# Altium PCB ZZW-FM17550-CB-001-V0.4.PcbDoc (part 2 of 3)
Units mil, origin at the board's own origin, x right, y up, seen from the top; angles counter-clockwise.
Board outline 1510 x 3524 mil, 2 copper layers (Top Layer, Bottom Layer); 440 components, 36 nets, 1370 pads, 672 vias.
Unrouted connection lines stored in the file: 245.
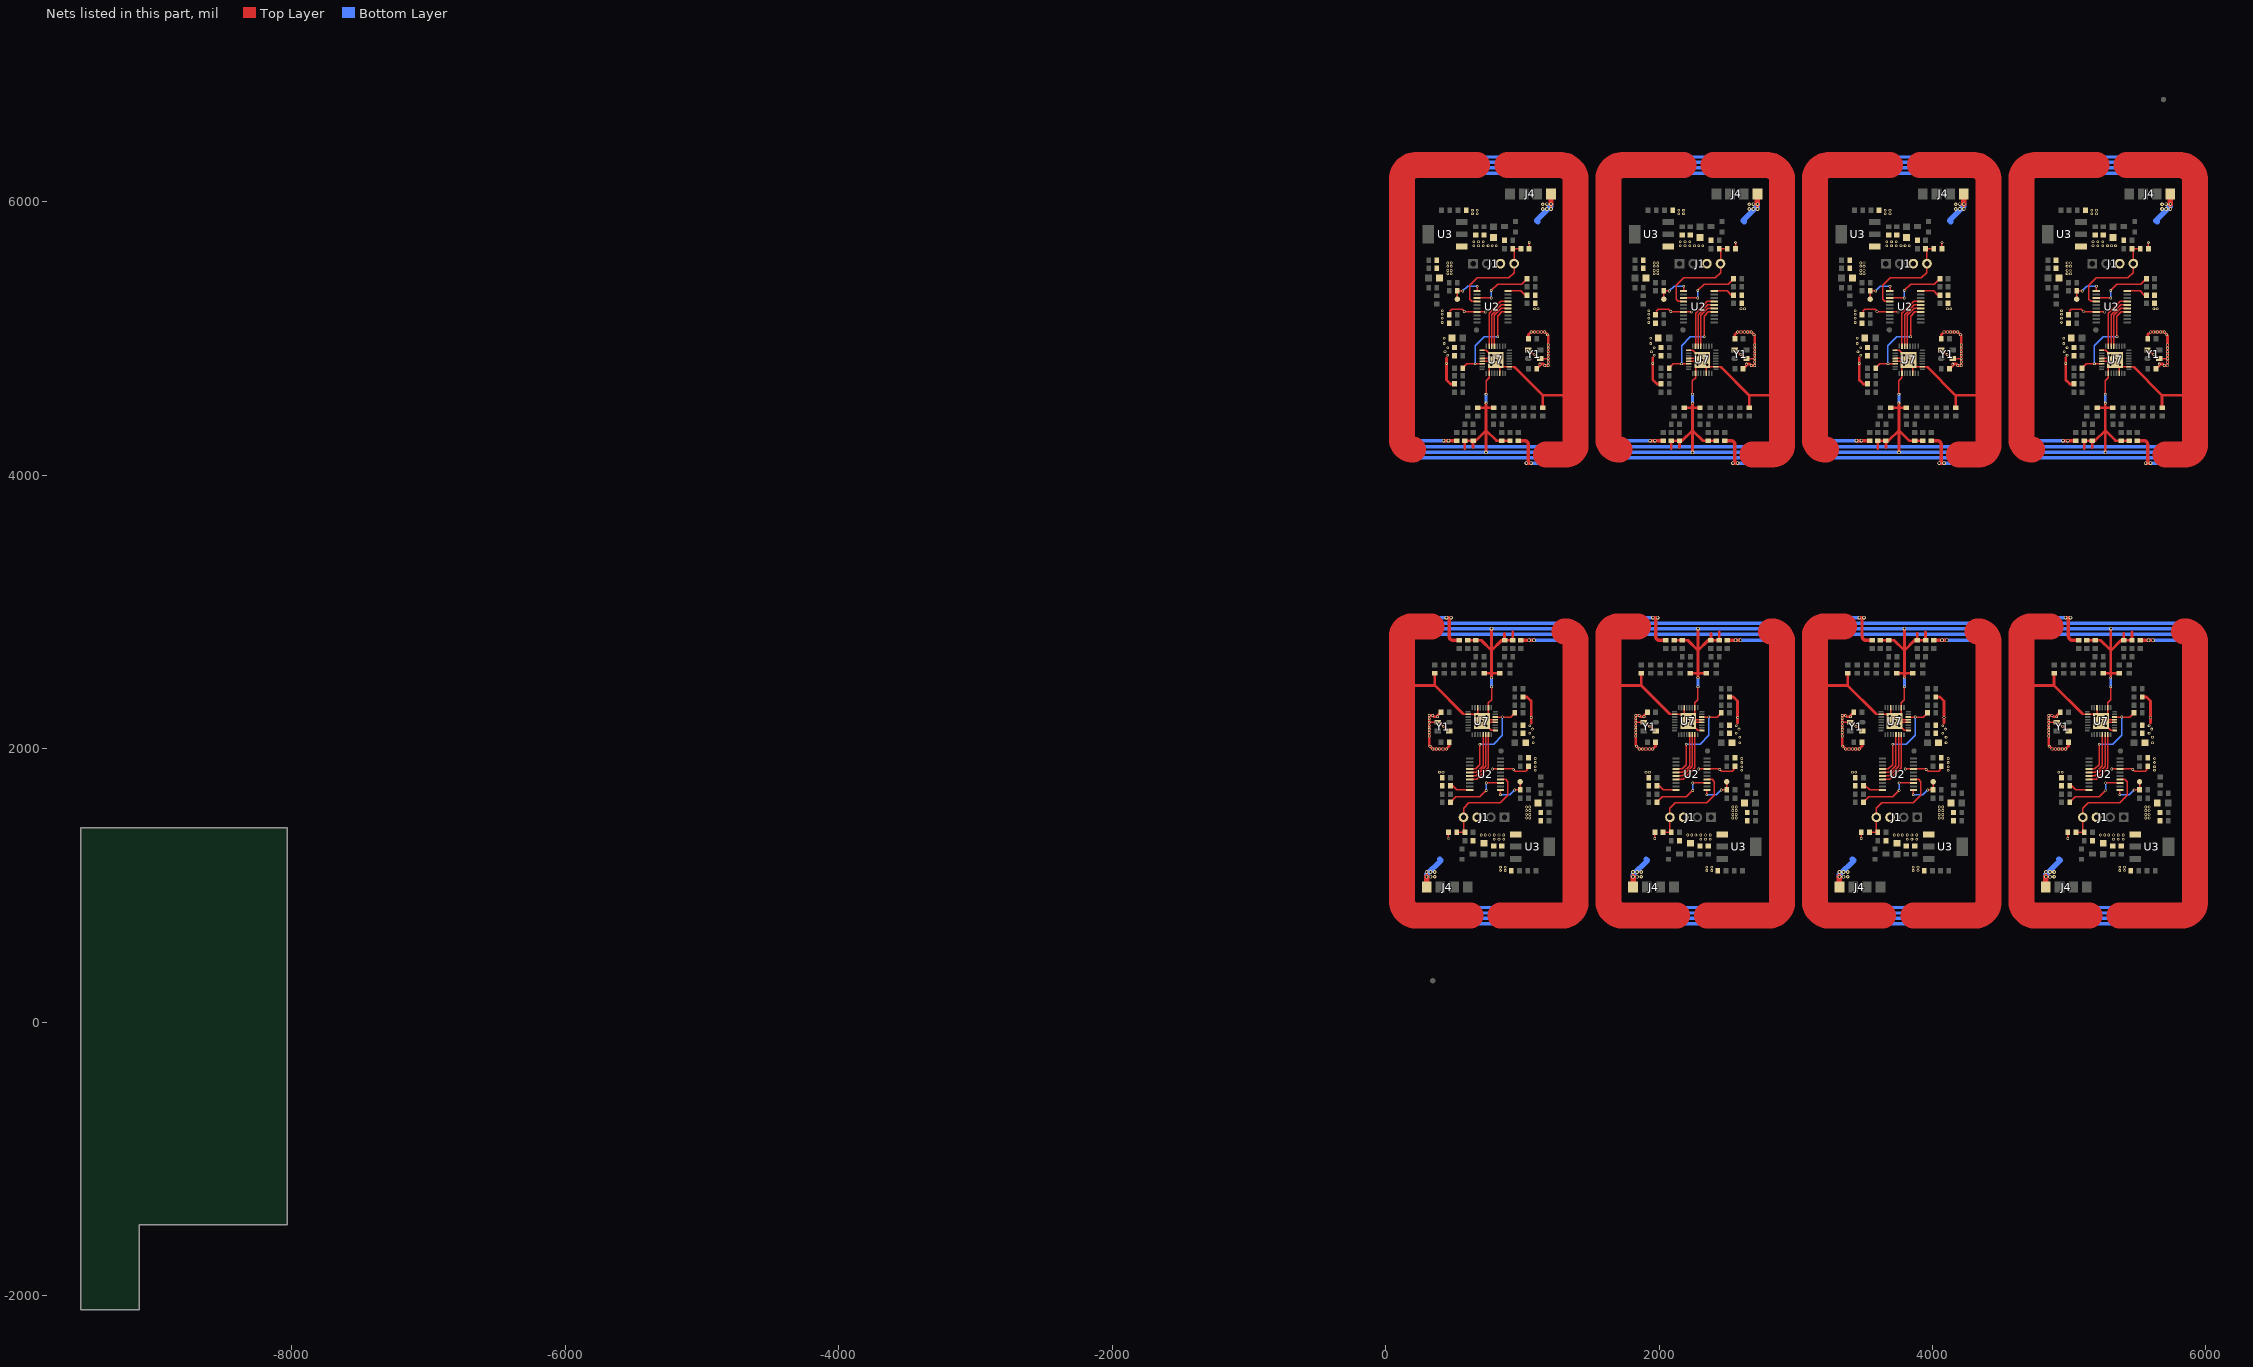
[diagram p2: the nets of this part, all layers, seen from the top]

## Via types
v1: diameter 20, hole 12, Top Layer to Bottom Layer, tented both sides, 432 vias
v2: diameter 19.68, hole 11.81, Top Layer to Bottom Layer, tented both sides, 120 vias
v3: diameter 27, hole 15, Top Layer to Bottom Layer, tented both sides, 104 vias
v4: diameter 27, hole 12, Top Layer to Bottom Layer, tented both sides, 16 vias

## Nets (pads, with @x,y where several pads share a name; then routed paths per layer and width w, separated by ;. In a path a pad name is that pad's centre, name@x,y a point inside that pad or via, vN(x,y) a via of type N, cw(c..) or ccw(c..) an arc to the next point about the centre after c; other vN are vias at no path point) (continued)
GND: C1.1 C2.1 C3.1 C4.1 C5.1 C6.2 C7.1 C8.1 C9.1 C10.1 C50.1 C51.1 C52.1 C53.1 C55.1 C56.2 C57.1 C58.2 C59.1 C60.2 C62.1 C64.1 J1.3 J4.4 R5.1 R6.1 R7.1 R9.2 R53.2 R54.2 U2.7 U3.1 U7.0 U7.1 U7.4 U7.5 U7.10 U7.14 U7.18 Y1.2 Y1.4 | length 283988.4
  Top Layer w10: v1(320,2194) Y1.2@380,2194 v1(421.25,2164) Y1.4@466.61,2131.01 ; v2(460,1344) C1.1@460,1389 ; 470,5199.01 485,5214.01 560,5214.01 v1(575,5199.01) 578.54,5195.46 U2.7@668.62,5195.46 v1(728.54,5195.46) ; 566.41,2256.27 ccw(c576.7,2266.56) 576.7,2252.01 U7.18@605.05,2252.01 654.79,2252.01 U7.0@673.94,2232.85 ; U7.14@673.94,2301.22 U7.0@673.94,2232.85 ; U7.1@706.13,4914.11 737.1,4914.11 U7.0@796.16,4855.06 ; U7.5@708.1,4835.37 U7.0@796.36,4835.37 ; U7.4@708.1,4855.06 U7.0@796.16,4855.06 ; v2(735,4594.01) 735,4690.42 757.32,4712.73 U7.10@757.32,4746.79 757.32,4796.32 U7.0@796.36,4835.37 ; v2(775,2454) 775,2357.59 752.68,2335.28 U7.10@752.68,2301.22 752.68,2251.68 U7.0@713.64,2212.64 ; v1(781.46,1852.54) U2.7@841.38,1852.54 931.46,1852.54 v1(935,1849) 950,1834 1025,1834 1040,1849 ; U7.4@801.9,2192.95 U7.0@713.84,2192.95 ; U7.5@801.9,2212.64 U7.0@713.64,2212.64 ; U7.1@803.87,2133.9 772.9,2133.9 U7.0@713.84,2192.95 ; U7.14@836.06,4746.79 U7.0@836.06,4815.16 ; 943.59,4791.74 ccw(c933.3,4781.45) 933.3,4796 U7.18@904.95,4796 855.21,4796 U7.0@836.06,4815.16 ; Y1.4@1043.39,4917 v1(1088.75,4884.01) Y1.2@1130,4854.01 v1(1190,4854.01) ; C1.1@1050,5659.01 v2(1050,5704.01) ; v1(1830,2194) Y1.2@1890,2194 v1(1931.25,2164) Y1.4@1976.61,2131.01 ; v2(1970,1344) C1.1@1970,1389 ; 1980,5199.01 1995,5214.01 2070,5214.01 v1(2085,5199.01) 2088.54,5195.46 U2.7@2178.62,5195.46 v1(2238.54,5195.46) ; 2076.41,2256.27 ccw(c2086.7,2266.56) 2086.7,2252.01 U7.18@2115.05,2252.01 2164.79,2252.01 U7.0@2183.94,2232.85 ; U7.14@2183.94,2301.22 U7.0@2183.94,2232.85 ; U7.1@2216.13,4914.11 2247.1,4914.11 U7.0@2306.16,4855.06 ; U7.5@2218.1,4835.37 U7.0@2306.36,4835.37 ; U7.4@2218.1,4855.06 U7.0@2306.16,4855.06 ; v2(2245,4594.01) 2245,4690.42 2267.32,4712.73 U7.10@2267.32,4746.79 2267.32,4796.32 U7.0@2306.36,4835.37 ; v2(2285,2454) 2285,2357.59 2262.68,2335.28 U7.10@2262.68,2301.22 2262.68,2251.68 U7.0@2223.64,2212.64 ; v1(2291.46,1852.54) U2.7@2351.38,1852.54 2441.46,1852.54 v1(2445,1849) 2460,1834 2535,1834 2550,1849 ; U7.4@2311.9,2192.95 U7.0@2223.84,2192.95 ; U7.5@2311.9,2212.64 U7.0@2223.64,2212.64 ; U7.1@2313.87,2133.9 2282.9,2133.9 U7.0@2223.84,2192.95 ; U7.14@2346.06,4746.79 U7.0@2346.06,4815.16 ; 2453.59,4791.74 ccw(c2443.3,4781.45) 2443.3,4796 U7.18@2414.95,4796 2365.21,4796 U7.0@2346.06,4815.16 ; Y1.4@2553.39,4917 v1(2598.75,4884.01) Y1.2@2640,4854.01 v1(2700,4854.01) ; C1.1@2560,5659.01 v2(2560,5704.01) ; v1(3340,2194) Y1.2@3400,2194 v1(3441.25,2164) Y1.4@3486.61,2131.01 ; v2(3480,1344) C1.1@3480,1389 ; 3490,5199.01 3505,5214.01 3580,5214.01 v1(3595,5199.01) 3598.54,5195.46 U2.7@3688.62,5195.46 v1(3748.54,5195.46) ; 3586.41,2256.27 ccw(c3596.7,2266.56) 3596.7,2252.01 U7.18@3625.05,2252.01 3674.79,2252.01 U7.0@3693.94,2232.85 ; U7.14@3693.94,2301.22 U7.0@3693.94,2232.85 ; U7.1@3726.13,4914.11 3757.1,4914.11 U7.0@3816.16,4855.06 ; U7.5@3728.1,4835.37 U7.0@3816.36,4835.37 ; U7.4@3728.1,4855.06 U7.0@3816.16,4855.06 ; v2(3755,4594.01) 3755,4690.42 3777.32,4712.73 U7.10@3777.32,4746.79 3777.32,4796.32 U7.0@3816.36,4835.37 ; v2(3795,2454) 3795,2357.59 3772.68,2335.28 U7.10@3772.68,2301.22 3772.68,2251.68 U7.0@3733.64,2212.64 ; v1(3801.46,1852.54) U2.7@3861.38,1852.54 3951.46,1852.54 v1(3955,1849) 3970,1834 4045,1834 4060,1849 ; U7.4@3821.9,2192.95 U7.0@3733.84,2192.95 ; U7.5@3821.9,2212.64 U7.0@3733.64,2212.64 ; U7.1@3823.87,2133.9 3792.9,2133.9 U7.0@3733.84,2192.95 ; U7.14@3856.06,4746.79 U7.0@3856.06,4815.16 ; 3963.59,4791.74 ccw(c3953.3,4781.45) 3953.3,4796 U7.18@3924.95,4796 3875.21,4796 U7.0@3856.06,4815.16 ; Y1.4@4063.39,4917 v1(4108.75,4884.01) Y1.2@4150,4854.01 v1(4210,4854.01) ; C1.1@4070,5659.01 v2(4070,5704.01) ; v1(4850,2194) Y1.2@4910,2194 v1(4951.25,2164) Y1.4@4996.61,2131.01 ; v2(4990,1344) C1.1@4990,1389 ; 5000,5199.01 5015,5214.01 5090,5214.01 v1(5105,5199.01) 5108.54,5195.46 U2.7@5198.62,5195.46 v1(5258.54,5195.46) ; 5096.41,2256.27 ccw(c5106.7,2266.56) 5106.7,2252.01 U7.18@5135.05,2252.01 5184.79,2252.01 U7.0@5203.94,2232.85 ; U7.14@5203.94,2301.22 U7.0@5203.94,2232.85 ; U7.1@5236.13,4914.11 5267.1,4914.11 U7.0@5326.16,4855.06 ; U7.5@5238.1,4835.37 U7.0@5326.36,4835.37 ; U7.4@5238.1,4855.06 U7.0@5326.16,4855.06 ; v2(5265,4594.01) 5265,4690.42 5287.32,4712.73 U7.10@5287.32,4746.79 5287.32,4796.32 U7.0@5326.36,4835.37 ; v2(5305,2454) 5305,2357.59 5282.68,2335.28 U7.10@5282.68,2301.22 5282.68,2251.68 U7.0@5243.64,2212.64 ; v1(5311.46,1852.54) U2.7@5371.38,1852.54 5461.46,1852.54 v1(5465,1849) 5480,1834 5555,1834 5570,1849 ; U7.4@5331.9,2192.95 U7.0@5243.84,2192.95 ; U7.5@5331.9,2212.64 U7.0@5243.64,2212.64 ; U7.1@5333.87,2133.9 5302.9,2133.9 U7.0@5243.84,2192.95 ; U7.14@5366.06,4746.79 U7.0@5366.06,4815.16 ; 5473.59,4791.74 ccw(c5463.3,4781.45) 5463.3,4796 U7.18@5434.95,4796 5385.21,4796 U7.0@5366.06,4815.16 ; Y1.4@5573.39,4917 v1(5618.75,4884.01) Y1.2@5660,4854.01 v1(5720,4854.01) ; C1.1@5580,5659.01 v2(5580,5704.01) ; U7.0@673.94,2232.85 U7.0@703.9,2202.9 ; U7.0@703.9,2202.9 U7.0@713.84,2192.95 ; U7.0@703.9,2202.9 U7.0@713.64,2212.64 ; U7.0@796.16,4855.06 U7.0@806.1,4845.11 ; U7.0@796.36,4835.37 U7.0@806.1,4845.11 ; U7.0@806.1,4845.11 U7.0@836.06,4815.16 ; U7.0@2183.94,2232.85 U7.0@2213.9,2202.9 ; U7.0@2213.9,2202.9 U7.0@2223.84,2192.95 ; U7.0@2213.9,2202.9 U7.0@2223.64,2212.64 ; U7.0@2306.16,4855.06 U7.0@2316.1,4845.11 ; U7.0@2306.36,4835.37 U7.0@2316.1,4845.11 ; U7.0@2316.1,4845.11 U7.0@2346.06,4815.16 ; U7.0@3693.94,2232.85 U7.0@3723.9,2202.9 ; U7.0@3723.9,2202.9 U7.0@3733.84,2192.95 ; U7.0@3723.9,2202.9 U7.0@3733.64,2212.64 ; U7.0@3816.16,4855.06 U7.0@3826.1,4845.11 ; U7.0@3816.36,4835.37 U7.0@3826.1,4845.11 ; U7.0@3826.1,4845.11 U7.0@3856.06,4815.16 ; U7.0@5203.94,2232.85 U7.0@5233.9,2202.9 ; U7.0@5233.9,2202.9 U7.0@5243.84,2192.95 ; U7.0@5233.9,2202.9 U7.0@5243.64,2212.64 ; U7.0@5326.16,4855.06 U7.0@5336.1,4845.11 ; U7.0@5326.36,4835.37 U7.0@5336.1,4845.11 ; U7.0@5336.1,4845.11 U7.0@5366.06,4815.16
  Top Layer w20: 120,2464 121.36,2462.64 360.05,2462.64 ; C62.1@360.05,2552.64 360.05,2462.64 ; C53.1@405,2269 380,2244 v1(380,2234) 355,2234 v1(345,2244) v1(320,2244) v1(320,2219) v1(320,2194) v1(320,2169) v1(320,2144) v1(320,2119) v1(320,2094) 320,2024 v1(325,2019) v1(345,1999) v1(370,1999) v1(395,1999) v1(420,1999) v1(445,1999) 465,2019 C52.1@465,2049 ; 445,4859.01 445,4699.01 475,4669.01 C4.1@505,4669.01 ; C50.1@499.95,4870.37 C50.1@504.95,4875.37 ; 566.41,2256.27 360.05,2462.64 ; 580,4194.01 C59.1@580,4254.01 C57.1@640,4254.01 ; C60.2@600,2794 C58.2@660,2794 700,2794 775,2719 ; 640,4204.01 C57.1@640,4254.01 ; C55.1@674.95,4495.37 735,4495.37 ; C56.2@720.05,2552.64 775,2552.64 ; v3(735,4169.01) 735,4329.01 ; v2(735,4529.01) 735,4495.37 ; v2(775,2519) 775,2552.64 ; v3(775,2879) 775,2719 ; C56.2@789.95,4495.37 735,4495.37 ; C55.1@835.05,2552.64 775,2552.64 ; 870,2844 C57.1@870,2794 ; C60.2@910,4254.01 C58.2@850,4254.01 810,4254.01 735,4329.01 ; 930,2854 C59.1@930,2794 C57.1@870,2794 ; 943.59,4791.74 1149.95,4585.37 ; C4.1@1005,2379 1035,2379 1065,2349 1065,2189 ; C50.1@1005.05,2172.64 C50.1@1010.05,2177.64 ; C52.1@1045,4999.01 1045,5029.01 v1(1065,5049.01) v1(1090,5049.01) v1(1115,5049.01) v1(1140,5049.01) v1(1165,5049.01) v1(1185,5029.01) 1190,5024.01 v1(1190,4954.01) v1(1190,4929.01) v1(1190,4904.01) v1(1190,4879.01) v1(1190,4854.01) v1(1190,4829.01) v1(1190,4804.01) v1(1165,4804.01) 1155,4814.01 v1(1130,4814.01) 1130,4804.01 C53.1@1105,4779.01 ; C62.1@1149.95,4495.37 1149.95,4585.37 ; 1390,4584.01 1388.64,4585.37 1149.95,4585.37 ; 1630,2464 1631.36,2462.64 1870.05,2462.64 ; C62.1@1870.05,2552.64 1870.05,2462.64 ; C53.1@1915,2269 1890,2244 v1(1890,2234) 1865,2234 v1(1855,2244) v1(1830,2244) v1(1830,2219) v1(1830,2194) v1(1830,2169) v1(1830,2144) v1(1830,2119) v1(1830,2094) 1830,2024 v1(1835,2019) v1(1855,1999) v1(1880,1999) v1(1905,1999) v1(1930,1999) v1(1955,1999) 1975,2019 C52.1@1975,2049 ; 1955,4859.01 1955,4699.01 1985,4669.01 C4.1@2015,4669.01 ; C50.1@2009.95,4870.37 C50.1@2014.95,4875.37 ; 2076.41,2256.27 1870.05,2462.64 ; 2090,4194.01 C59.1@2090,4254.01 C57.1@2150,4254.01 ; C60.2@2110,2794 C58.2@2170,2794 2210,2794 2285,2719 ; 2150,4204.01 C57.1@2150,4254.01 ; C55.1@2184.95,4495.37 2245,4495.37 ; C56.2@2230.05,2552.64 2285,2552.64 ; v3(2245,4169.01) 2245,4329.01 ; v2(2245,4529.01) 2245,4495.37 ; v2(2285,2519) 2285,2552.64 ; v3(2285,2879) 2285,2719 ; C56.2@2299.95,4495.37 2245,4495.37 ; C55.1@2345.05,2552.64 2285,2552.64 ; 2380,2844 C57.1@2380,2794 ; C60.2@2420,4254.01 C58.2@2360,4254.01 2320,4254.01 2245,4329.01 ; 2440,2854 C59.1@2440,2794 C57.1@2380,2794 ; 2453.59,4791.74 2659.95,4585.37 ; C4.1@2515,2379 2545,2379 2575,2349 2575,2189 ; C50.1@2515.05,2172.64 C50.1@2520.05,2177.64 ; C52.1@2555,4999.01 2555,5029.01 v1(2575,5049.01) v1(2600,5049.01) v1(2625,5049.01) v1(2650,5049.01) v1(2675,5049.01) v1(2695,5029.01) 2700,5024.01 v1(2700,4954.01) v1(2700,4929.01) v1(2700,4904.01) v1(2700,4879.01) v1(2700,4854.01) v1(2700,4829.01) v1(2700,4804.01) v1(2675,4804.01) 2665,4814.01 v1(2640,4814.01) 2640,4804.01 C53.1@2615,4779.01 ; C62.1@2659.95,4495.37 2659.95,4585.37 ; 2900,4584.01 2898.64,4585.37 2659.95,4585.37 ; 3140,2464 3141.36,2462.64 3380.05,2462.64 ; C62.1@3380.05,2552.64 3380.05,2462.64 ; C53.1@3425,2269 3400,2244 v1(3400,2234) 3375,2234 v1(3365,2244) v1(3340,2244) v1(3340,2219) v1(3340,2194) v1(3340,2169) v1(3340,2144) v1(3340,2119) v1(3340,2094) 3340,2024 v1(3345,2019) v1(3365,1999) v1(3390,1999) v1(3415,1999) v1(3440,1999) v1(3465,1999) 3485,2019 C52.1@3485,2049 ; 3465,4859.01 3465,4699.01 3495,4669.01 C4.1@3525,4669.01 ; C50.1@3519.95,4870.37 C50.1@3524.95,4875.37 ; 3586.41,2256.27 3380.05,2462.64 ; 3600,4194.01 C59.1@3600,4254.01 C57.1@3660,4254.01 ; C60.2@3620,2794 C58.2@3680,2794 3720,2794 3795,2719 ; 3660,4204.01 C57.1@3660,4254.01 ; C55.1@3694.95,4495.37 3755,4495.37 ; C56.2@3740.05,2552.64 3795,2552.64 ; v3(3755,4169.01) 3755,4329.01 ; v2(3755,4529.01) 3755,4495.37 ; v2(3795,2519) 3795,2552.64 ; v3(3795,2879) 3795,2719 ; C56.2@3809.95,4495.37 3755,4495.37 ; C55.1@3855.05,2552.64 3795,2552.64 ; 3890,2844 C57.1@3890,2794 ; C60.2@3930,4254.01 C58.2@3870,4254.01 3830,4254.01 3755,4329.01 ; 3950,2854 C59.1@3950,2794 C57.1@3890,2794 ; 3963.59,4791.74 4169.95,4585.37 ; C4.1@4025,2379 4055,2379 4085,2349 4085,2189 ; C50.1@4025.05,2172.64 C50.1@4030.05,2177.64 ; C52.1@4065,4999.01 4065,5029.01 v1(4085,5049.01) v1(4110,5049.01) v1(4135,5049.01) v1(4160,5049.01) v1(4185,5049.01) v1(4205,5029.01) 4210,5024.01 v1(4210,4954.01) v1(4210,4929.01) v1(4210,4904.01) v1(4210,4879.01) v1(4210,4854.01) v1(4210,4829.01) v1(4210,4804.01) v1(4185,4804.01) 4175,4814.01 v1(4150,4814.01) 4150,4804.01 C53.1@4125,4779.01 ; C62.1@4169.95,4495.37 4169.95,4585.37 ; 4410,4584.01 4408.64,4585.37 4169.95,4585.37 ; 4650,2464 4651.36,2462.64 4890.05,2462.64 ; C62.1@4890.05,2552.64 4890.05,2462.64 ; C53.1@4935,2269 4910,2244 v1(4910,2234) 4885,2234 v1(4875,2244) v1(4850,2244) v1(4850,2219) v1(4850,2194) v1(4850,2169) v1(4850,2144) v1(4850,2119) v1(4850,2094) 4850,2024 v1(4855,2019) v1(4875,1999) v1(4900,1999) v1(4925,1999) v1(4950,1999) v1(4975,1999) 4995,2019 C52.1@4995,2049 ; 4975,4859.01 4975,4699.01 5005,4669.01 C4.1@5035,4669.01 ; C50.1@5029.95,4870.37 C50.1@5034.95,4875.37 ; 5096.41,2256.27 4890.05,2462.64 ; 5110,4194.01 C59.1@5110,4254.01 C57.1@5170,4254.01 ; C60.2@5130,2794 C58.2@5190,2794 5230,2794 5305,2719 ; 5170,4204.01 C57.1@5170,4254.01 ; C55.1@5204.95,4495.37 5265,4495.37 ; C56.2@5250.05,2552.64 5305,2552.64 ; v3(5265,4169.01) 5265,4329.01 ; v2(5265,4529.01) 5265,4495.37 ; v2(5305,2519) 5305,2552.64 ; v3(5305,2879) 5305,2719 ; C56.2@5319.95,4495.37 5265,4495.37 ; C55.1@5365.05,2552.64 5305,2552.64 ; 5400,2844 C57.1@5400,2794 ; C60.2@5440,4254.01 C58.2@5380,4254.01 5340,4254.01 5265,4329.01 ; 5460,2854 C59.1@5460,2794 C57.1@5400,2794 ; 5473.59,4791.74 5679.95,4585.37 ; C4.1@5535,2379 5565,2379 5595,2349 5595,2189 ; C50.1@5535.05,2172.64 C50.1@5540.05,2177.64 ; C52.1@5575,4999.01 5575,5029.01 v1(5595,5049.01) v1(5620,5049.01) v1(5645,5049.01) v1(5670,5049.01) v1(5695,5049.01) v1(5715,5029.01) 5720,5024.01 v1(5720,4954.01) v1(5720,4929.01) v1(5720,4904.01) v1(5720,4879.01) v1(5720,4854.01) v1(5720,4829.01) v1(5720,4804.01) v1(5695,4804.01) 5685,4814.01 v1(5660,4814.01) 5660,4804.01 C53.1@5635,4779.01 ; C62.1@5679.95,4495.37 5679.95,4585.37 ; 5920,4584.01 5918.64,4585.37 5679.95,4585.37 ; C57.1@640,4254.01 660,4254.01 735,4329.01 ; 735,4329.01 735,4495.37 ; 775,2552.64 775,2719 ; 775,2719 850,2794 C57.1@870,2794 ; C57.1@2150,4254.01 2170,4254.01 2245,4329.01 ; 2245,4329.01 2245,4495.37 ; 2285,2552.64 2285,2719 ; 2285,2719 2360,2794 C57.1@2380,2794 ; C57.1@3660,4254.01 3680,4254.01 3755,4329.01 ; 3755,4329.01 3755,4495.37 ; 3795,2552.64 3795,2719 ; 3795,2719 3870,2794 C57.1@3890,2794 ; C57.1@5170,4254.01 5190,4254.01 5265,4329.01 ; 5265,4329.01 5265,4495.37 ; 5305,2552.64 5305,2719 ; 5305,2719 5380,2794 C57.1@5400,2794
  Top Layer w25: v3(425,4254.01) v3(460,4254.01) R53.2@520,4254.01 ; v3(445,2959) 465,2959 ; v3(480,2959) 465,2959 ; R54.2@540,2794 495,2794 cw(c495,2824) 465,2824 465,2959 ; R54.2@970,4254.01 1015,4254.01 cw(c1015,4224.01) 1045,4224.01 1045,4089.01 ; R53.2@990,2794 v3(1050,2794) v3(1085,2794) ; v3(1030,4089.01) 1045,4089.01 ; v3(1065,4089.01) 1045,4089.01 ; v3(1935,4254.01) v3(1970,4254.01) R53.2@2030,4254.01 ; v3(1955,2959) 1975,2959 ; v3(1990,2959) 1975,2959 ; R54.2@2050,2794 2005,2794 cw(c2005,2824) 1975,2824 1975,2959 ; R54.2@2480,4254.01 2525,4254.01 cw(c2525,4224.01) 2555,4224.01 2555,4089.01 ; R53.2@2500,2794 v3(2560,2794) v3(2595,2794) ; v3(2540,4089.01) 2555,4089.01 ; v3(2575,4089.01) 2555,4089.01 ; v3(3445,4254.01) v3(3480,4254.01) R53.2@3540,4254.01 ; v3(3465,2959) 3485,2959 ; v3(3500,2959) 3485,2959 ; R54.2@3560,2794 3515,2794 cw(c3515,2824) 3485,2824 3485,2959 ; R54.2@3990,4254.01 4035,4254.01 cw(c4035,4224.01) 4065,4224.01 4065,4089.01 ; R53.2@4010,2794 v3(4070,2794) v3(4105,2794) ; v3(4050,4089.01) 4065,4089.01 ; v3(4085,4089.01) 4065,4089.01 ; v3(4955,4254.01) v3(4990,4254.01) R53.2@5050,4254.01 ; v3(4975,2959) 4995,2959 ; v3(5010,2959) 4995,2959 ; R54.2@5070,2794 5025,2794 cw(c5025,2824) 4995,2824 4995,2959 ; R54.2@5500,4254.01 5545,4254.01 cw(c5545,4224.01) 5575,4224.01 5575,4089.01 ; R53.2@5520,2794 v3(5580,2794) v3(5615,2794) ; v3(5560,4089.01) 5575,4089.01 ; v3(5595,4089.01) 5575,4089.01
  Top Layer w40: J4.4@300,984 v3(300,1064) ; v3(1210,5984.01) J4.4@1210,6064.01 ; J4.4@1810,984 v3(1810,1064) ; v3(2720,5984.01) J4.4@2720,6064.01 ; J4.4@3320,984 v3(3320,1064) ; v3(4230,5984.01) J4.4@4230,6064.01 ; J4.4@4830,984 v3(4830,1064) ; v3(5740,5984.01) J4.4@5740,6064.01
  Top Layer w190: 149.29,814.71 cw(c220,885.42) 120,885.42 120,2464 120,2825.72 cw(c188.28,2825.72) 140,2874 cw(c188.28,2825.72) 188.28,2894 335,2894 ; 155.71,808.29 ccw(c226.42,879) 226.42,779 620,779 ; 200,4189.01 cw(c200,4272.3) 141.1,4213.4 cw(c192.06,4264.35) 120,4264.35 120,6167.59 cw(c220,6167.59) 149.29,6238.3 150.71,6239.72 cw(c221.42,6169.01) 221.42,6269.01 670,6269.01 ; 840,779 1288.58,779 ccw(c1288.58,879) 1359.29,808.29 1360.71,809.71 ccw(c1290,880.42) 1390,880.42 1390,2783.65 ccw(c1317.94,2783.65) 1368.9,2834.6 ccw(c1310,2775.71) 1310,2859 ; 890,6269.01 1283.58,6269.01 cw(c1283.58,6169.01) 1354.29,6239.72 ; 1175,4154.01 1321.72,4154.01 ccw(c1321.72,4222.29) 1370,4174.01 ccw(c1321.72,4222.29) 1390,4222.29 1390,4584.01 1390,6162.59 ccw(c1290,6162.59) 1360.71,6233.3 ; 1659.29,814.71 cw(c1730,885.42) 1630,885.42 1630,2464 1630,2825.72 cw(c1698.28,2825.72) 1650,2874 cw(c1698.28,2825.72) 1698.28,2894 1845,2894 ; 1665.71,808.29 ccw(c1736.42,879) 1736.42,779 2130,779 ; 1710,4189.01 cw(c1710,4272.3) 1651.1,4213.4 cw(c1702.06,4264.35) 1630,4264.35 1630,6167.59 cw(c1730,6167.59) 1659.29,6238.3 1660.71,6239.72 cw(c1731.42,6169.01) 1731.42,6269.01 2180,6269.01 ; 2350,779 2798.58,779 ccw(c2798.58,879) 2869.29,808.29 2870.71,809.71 ccw(c2800,880.42) 2900,880.42 2900,2783.65 ccw(c2827.94,2783.65) 2878.9,2834.6 ccw(c2820,2775.71) 2820,2859 ; 2400,6269.01 2793.58,6269.01 cw(c2793.58,6169.01) 2864.29,6239.72 ; 2685,4154.01 2831.72,4154.01 ccw(c2831.72,4222.29) 2880,4174.01 ccw(c2831.72,4222.29) 2900,4222.29 2900,4584.01 2900,6162.59 ccw(c2800,6162.59) 2870.71,6233.3 ; 3169.29,814.71 cw(c3240,885.42) 3140,885.42 3140,2464 3140,2825.72 cw(c3208.28,2825.72) 3160,2874 cw(c3208.28,2825.72) 3208.28,2894 3355,2894 ; 3175.71,808.29 ccw(c3246.42,879) 3246.42,779 3640,779 ; 3220,4189.01 cw(c3220,4272.3) 3161.1,4213.4 cw(c3212.06,4264.35) 3140,4264.35 3140,6167.59 cw(c3240,6167.59) 3169.29,6238.3 3170.71,6239.72 cw(c3241.42,6169.01) 3241.42,6269.01 3690,6269.01 ; 3860,779 4308.58,779 ccw(c4308.58,879) 4379.29,808.29 4380.71,809.71 ccw(c4310,880.42) 4410,880.42 4410,2783.65 ccw(c4337.94,2783.65) 4388.9,2834.6 ccw(c4330,2775.71) 4330,2859 ; 3910,6269.01 4303.58,6269.01 cw(c4303.58,6169.01) 4374.29,6239.72 ; 4195,4154.01 4341.72,4154.01 ccw(c4341.72,4222.29) 4390,4174.01 ccw(c4341.72,4222.29) 4410,4222.29 4410,4584.01 4410,6162.59 ccw(c4310,6162.59) 4380.71,6233.3 ; 4679.29,814.71 cw(c4750,885.42) 4650,885.42 4650,2464 4650,2825.72 cw(c4718.28,2825.72) 4670,2874 cw(c4718.28,2825.72) 4718.28,2894 4865,2894 ; 4685.71,808.29 ccw(c4756.42,879) 4756.42,779 5150,779 ; 4730,4189.01 cw(c4730,4272.3) 4671.1,4213.4 cw(c4722.06,4264.35) 4650,4264.35 4650,6167.59 cw(c4750,6167.59) 4679.29,6238.3 4680.71,6239.72 cw(c4751.42,6169.01) 4751.42,6269.01 5200,6269.01 ; 5370,779 5818.58,779 ccw(c5818.58,879) 5889.29,808.29 5890.71,809.71 ccw(c5820,880.42) 5920,880.42 5920,2783.65 ccw(c5847.94,2783.65) 5898.9,2834.6 ccw(c5840,2775.71) 5840,2859 ; 5420,6269.01 5813.58,6269.01 cw(c5813.58,6169.01) 5884.29,6239.72 ; 5705,4154.01 5851.72,4154.01 ccw(c5851.72,4222.29) 5900,4174.01 ccw(c5851.72,4222.29) 5920,4222.29 5920,4584.01 5920,6162.59 ccw(c5820,6162.59) 5890.71,6233.3
  Bottom Layer w20: v2(735,4529.01) v2(735,4594.01) ; v2(775,2454) v2(775,2519) ; v2(2245,4529.01) v2(2245,4594.01) ; v2(2285,2454) v2(2285,2519) ; v2(3755,4529.01) v2(3755,4594.01) ; v2(3795,2454) v2(3795,2519) ; v2(5265,4529.01) v2(5265,4594.01) ; v2(5305,2454) v2(5305,2519)
  Bottom Layer w25: 220,799 225,799 ; v3(460,4254.01) v3(425,4254.01) 224.95,4254.01 cw(c224.95,4299.01) 179.95,4299.01 179.95,6143.96 cw(c245,6143.96) 245,6209.01 1275,6209.01 cw(c1275,6154.01) 1330,6154.01 1330,4264.01 cw(c1275,4264.01) 1275,4209.01 202.36,4209.01 cw(c202.36,4271.42) 139.95,4271.42 139.95,6155.2 cw(c233.76,6155.2) 233.76,6249.01 1285,6249.01 ; v3(480,2959) v3(445,2959) 160,2959 ccw(c160,2859) 60,2859 60,849.83 ccw(c190.83,849.83) 190.83,719 1299.95,719 ccw(c1299.95,869.09) 1450.05,869.09 1450.05,2823.95 ccw(c1355,2823.95) 1355,2919 195,2919 ccw(c195,2824) 100,2824 100,868.72 ccw(c209.72,868.72) 209.72,759 1284.95,759 ccw(c1284.95,884.09) 1410.05,884.09 1410.05,2802.3 ccw(c1333.35,2802.3) 1333.35,2879 v3(775,2879) 215,2879 ccw(c215,2804) 140,2804 140,884 ccw(c225,884) 225,799 ; v3(1030,4089.01) v3(1065,4089.01) 1350,4089.01 ccw(c1350,4189.01) 1450,4189.01 1450,6198.18 ccw(c1319.17,6198.18) 1319.17,6329.01 210.05,6329.01 ccw(c210.05,6178.91) 59.95,6178.91 59.95,4224.05 ccw(c155,4224.05) 155,4129.01 1315,4129.01 ccw(c1315,4224.01) 1410,4224.01 1410,6179.29 ccw(c1300.28,6179.29) 1300.28,6289.01 225.05,6289.01 ccw(c225.05,6163.91) 99.95,6163.91 99.95,4245.71 ccw(c176.65,4245.71) 176.65,4169.01 v3(735,4169.01) 1295,4169.01 ccw(c1295,4244.01) 1370,4244.01 1370,6164.01 ccw(c1285,6164.01) 1285,6249.01 ; v3(1050,2794) v3(1085,2794) 1285.05,2794 cw(c1285.05,2749) 1330.05,2749 1330.05,904.05 cw(c1265,904.05) 1265,839 235,839 cw(c235,894) 180,894 180,2784 cw(c235,2784) 235,2839 1307.64,2839 cw(c1307.64,2776.59) 1370.05,2776.59 1370.05,892.81 cw(c1276.24,892.81) 1276.24,799 225,799 ; 1290,6249.01 1285,6249.01 ; 1730,799 1735,799 ; v3(1970,4254.01) v3(1935,4254.01) 1734.95,4254.01 cw(c1734.95,4299.01) 1689.95,4299.01 1689.95,6143.96 cw(c1755,6143.96) 1755,6209.01 2785,6209.01 cw(c2785,6154.01) 2840,6154.01 2840,4264.01 cw(c2785,4264.01) 2785,4209.01 1712.36,4209.01 cw(c1712.36,4271.42) 1649.95,4271.42 1649.95,6155.2 cw(c1743.76,6155.2) 1743.76,6249.01 2795,6249.01 ; v3(1990,2959) v3(1955,2959) 1670,2959 ccw(c1670,2859) 1570,2859 1570,849.83 ccw(c1700.83,849.83) 1700.83,719 2809.95,719 ccw(c2809.95,869.09) 2960.05,869.09 2960.05,2823.95 ccw(c2865,2823.95) 2865,2919 1705,2919 ccw(c1705,2824) 1610,2824 1610,868.72 ccw(c1719.72,868.72) 1719.72,759 2794.95,759 ccw(c2794.95,884.09) 2920.05,884.09 2920.05,2802.3 ccw(c2843.35,2802.3) 2843.35,2879 v3(2285,2879) 1725,2879 ccw(c1725,2804) 1650,2804 1650,884 ccw(c1735,884) 1735,799 ; v3(2540,4089.01) v3(2575,4089.01) 2860,4089.01 ccw(c2860,4189.01) 2960,4189.01 2960,6198.18 ccw(c2829.17,6198.18) 2829.17,6329.01 1720.05,6329.01 ccw(c1720.05,6178.91) 1569.95,6178.91 1569.95,4224.05 ccw(c1665,4224.05) 1665,4129.01 2825,4129.01 ccw(c2825,4224.01) 2920,4224.01 2920,6179.29 ccw(c2810.28,6179.29) 2810.28,6289.01 1735.05,6289.01 ccw(c1735.05,6163.91) 1609.95,6163.91 1609.95,4245.71 ccw(c1686.65,4245.71) 1686.65,4169.01 v3(2245,4169.01) 2805,4169.01 ccw(c2805,4244.01) 2880,4244.01 2880,6164.01 ccw(c2795,6164.01) 2795,6249.01 ; v3(2560,2794) v3(2595,2794) 2795.05,2794 cw(c2795.05,2749) 2840.05,2749 2840.05,904.05 cw(c2775,904.05) 2775,839 1745,839 cw(c1745,894) 1690,894 1690,2784 cw(c1745,2784) 1745,2839 2817.64,2839 cw(c2817.64,2776.59) 2880.05,2776.59 2880.05,892.81 cw(c2786.24,892.81) 2786.24,799 1735,799 ; 2800,6249.01 2795,6249.01 ; 3240,799 3245,799 ; v3(3480,4254.01) v3(3445,4254.01) 3244.95,4254.01 cw(c3244.95,4299.01) 3199.95,4299.01 3199.95,6143.96 cw(c3265,6143.96) 3265,6209.01 4295,6209.01 cw(c4295,6154.01) 4350,6154.01 4350,4264.01 cw(c4295,4264.01) 4295,4209.01 3222.36,4209.01 cw(c3222.36,4271.42) 3159.95,4271.42 3159.95,6155.2 cw(c3253.76,6155.2) 3253.76,6249.01 4305,6249.01 ; v3(3500,2959) v3(3465,2959) 3180,2959 ccw(c3180,2859) 3080,2859 3080,849.83 ccw(c3210.83,849.83) 3210.83,719 4319.95,719 ccw(c4319.95,869.09) 4470.05,869.09 4470.05,2823.95 ccw(c4375,2823.95) 4375,2919 3215,2919 ccw(c3215,2824) 3120,2824 3120,868.72 ccw(c3229.72,868.72) 3229.72,759 4304.95,759 ccw(c4304.95,884.09) 4430.05,884.09 4430.05,2802.3 ccw(c4353.35,2802.3) 4353.35,2879 v3(3795,2879) 3235,2879 ccw(c3235,2804) 3160,2804 3160,884 ccw(c3245,884) 3245,799 ; v3(4050,4089.01) v3(4085,4089.01) 4370,4089.01 ccw(c4370,4189.01) 4470,4189.01 4470,6198.18 ccw(c4339.17,6198.18) 4339.17,6329.01 3230.05,6329.01 ccw(c3230.05,6178.91) 3079.95,6178.91 3079.95,4224.05 ccw(c3175,4224.05) 3175,4129.01 4335,4129.01 ccw(c4335,4224.01) 4430,4224.01 4430,6179.29 ccw(c4320.28,6179.29) 4320.28,6289.01 3245.05,6289.01 ccw(c3245.05,6163.91) 3119.95,6163.91 3119.95,4245.71 ccw(c3196.65,4245.71) 3196.65,4169.01 v3(3755,4169.01) 4315,4169.01 ccw(c4315,4244.01) 4390,4244.01 4390,6164.01 ccw(c4305,6164.01) 4305,6249.01 ; v3(4070,2794) v3(4105,2794) 4305.05,2794 cw(c4305.05,2749) 4350.05,2749 4350.05,904.05 cw(c4285,904.05) 4285,839 3255,839 cw(c3255,894) 3200,894 3200,2784 cw(c3255,2784) 3255,2839 4327.64,2839 cw(c4327.64,2776.59) 4390.05,2776.59 4390.05,892.81 cw(c4296.24,892.81) 4296.24,799 3245,799 ; 4310,6249.01 4305,6249.01 ; 4750,799 4755,799 ; v3(4990,4254.01) v3(4955,4254.01) 4754.95,4254.01 cw(c4754.95,4299.01) 4709.95,4299.01 4709.95,6143.96 cw(c4775,6143.96) 4775,6209.01 5805,6209.01 cw(c5805,6154.01) 5860,6154.01 5860,4264.01 cw(c5805,4264.01) 5805,4209.01 4732.36,4209.01 cw(c4732.36,4271.42) 4669.95,4271.42 4669.95,6155.2 cw(c4763.76,6155.2) 4763.76,6249.01 5815,6249.01 ; v3(5010,2959) v3(4975,2959) 4690,2959 ccw(c4690,2859) 4590,2859 4590,849.83 ccw(c4720.83,849.83) 4720.83,719 5829.95,719 ccw(c5829.95,869.09) 5980.05,869.09 5980.05,2823.95 ccw(c5885,2823.95) 5885,2919 4725,2919 ccw(c4725,2824) 4630,2824 4630,868.72 ccw(c4739.72,868.72) 4739.72,759 5814.95,759 ccw(c5814.95,884.09) 5940.05,884.09 5940.05,2802.3 ccw(c5863.35,2802.3) 5863.35,2879 v3(5305,2879) 4745,2879 ccw(c4745,2804) 4670,2804 4670,884 ccw(c4755,884) 4755,799 ; v3(5560,4089.01) v3(5595,4089.01) 5880,4089.01 ccw(c5880,4189.01) 5980,4189.01 5980,6198.18 ccw(c5849.17,6198.18) 5849.17,6329.01 4740.05,6329.01 ccw(c4740.05,6178.91) 4589.95,6178.91 4589.95,4224.05 ccw(c4685,4224.05) 4685,4129.01 5845,4129.01 ccw(c5845,4224.01) 5940,4224.01 5940,6179.29 ccw(c5830.28,6179.29) 5830.28,6289.01 4755.05,6289.01 ccw(c4755.05,6163.91) 4629.95,6163.91 4629.95,4245.71 ccw(c4706.65,4245.71) 4706.65,4169.01 v3(5265,4169.01) 5825,4169.01 ccw(c5825,4244.01) 5900,4244.01 5900,6164.01 ccw(c5815,6164.01) 5815,6249.01 ; v3(5580,2794) v3(5615,2794) 5815.05,2794 cw(c5815.05,2749) 5860.05,2749 5860.05,904.05 cw(c5795,904.05) 5795,839 4765,839 cw(c4765,894) 4710,894 4710,2784 cw(c4765,2784) 4765,2839 5837.64,2839 cw(c5837.64,2776.59) 5900.05,2776.59 5900.05,892.81 cw(c5806.24,892.81) 5806.24,799 4755,799 ; 5820,6249.01 5815,6249.01
  Bottom Layer w40: v3(300,1064) 300,1079 405,1184 395,1194 ; 1115,5854.01 1105,5864.01 1210,5969.01 v3(1210,5984.01) ; v3(1810,1064) 1810,1079 1915,1184 1905,1194 ; 2625,5854.01 2615,5864.01 2720,5969.01 v3(2720,5984.01) ; v3(3320,1064) 3320,1079 3425,1184 3415,1194 ; 4135,5854.01 4125,5864.01 4230,5969.01 v3(4230,5984.01) ; v3(4830,1064) 4830,1079 4935,1184 4925,1194 ; 5645,5854.01 5635,5864.01 5740,5969.01 v3(5740,5984.01)
  other v1: 840,1109 875,1109 2350,1109 2385,1109 3860,1109 3895,1109 5370,1109 5405,1109 840,1134 875,1134 2350,1134 2385,1134 3860,1134 3895,1134 5370,1134 5405,1134 795,1339 830,1339 865,1339 2305,1339 2340,1339 2375,1339 3815,1339 3850,1339 3885,1339 5325,1339 5360,1339 5395,1339 700,1369 730,1369 760,1369 795,1369 830,1369 865,1369 2210,1369 2240,1369 2270,1369 2305,1369 2340,1369 2375,1369 3720,1369 3750,1369 3780,1369 3815,1369 3850,1369 3885,1369 5230,1369 5260,1369 5290,1369 5325,1369 5360,1369 5395,1369 1030,1494 1055,1494 2540,1494 2565,1494 4050,1494 4075,1494 5560,1494 5585,1494 1030,1519 1055,1519 2540,1519 2565,1519 4050,1519 4075,1519 5560,1519 5585,1519 1030,1549 1055,1549 2540,1549 2565,1549 4050,1549 4075,1549 5560,1549 5585,1549 1030,1574 1055,1574 2540,1574 2565,1574 4050,1574 4075,1574 5560,1574 5585,1574 395,1829 420,1829 1905,1829 1930,1829 3415,1829 3440,1829 4925,1829 4950,1829 1095,1844 2605,1844 4115,1844 5625,1844 1095,1869 2605,1869 4115,1869 5625,1869 1095,1899 2605,1899 4115,1899 5625,1899 1095,1929 2605,1929 4115,1929 5625,1929 1080,2044 2590,2044 4100,2044 5610,2044 1080,2084 2590,2084 4100,2084 5610,2084 1055,2114 2565,2114 4075,2114 5585,2114 1075,2144 2585,2144 4095,2144 5605,2144 1055,2169 2565,2169 4075,2169 5585,2169 1065,2229 2575,2229 4085,2229 5595,2229 445,4819.01 1955,4819.01 3465,4819.01 4975,4819.01 455,4879.01 1965,4879.01 3475,4879.01 4985,4879.01 435,4904.01 1945,4904.01 3455,4904.01 4965,4904.01 455,4934.01 1965,4934.01 3475,4934.01 4985,4934.01 430,4964.01 1940,4964.01 3450,4964.01 4960,4964.01 430,5004.01 1940,5004.01 3450,5004.01 4960,5004.01 415,5119.01 1925,5119.01 3435,5119.01 4945,5119.01 415,5149.01 1925,5149.01 3435,5149.01 4945,5149.01 415,5179.01 1925,5179.01 3435,5179.01 4945,5179.01 415,5204.01 1925,5204.01 3435,5204.01 4945,5204.01 1090,5219.01 1115,5219.01 2600,5219.01 2625,5219.01 4110,5219.01 4135,5219.01 5620,5219.01 5645,5219.01 455,5474.01 480,5474.01 1965,5474.01 1990,5474.01 3475,5474.01 3500,5474.01 4985,5474.01 5010,5474.01 455,5499.01 480,5499.01 1965,5499.01 1990,5499.01 3475,5499.01 3500,5499.01 4985,5499.01 5010,5499.01 455,5529.01 480,5529.01 1965,5529.01 1990,5529.01 3475,5529.01 3500,5529.01 4985,5529.01 5010,5529.01 455,5554.01 480,5554.01 1965,5554.01 1990,5554.01 3475,5554.01 3500,5554.01 4985,5554.01 5010,5554.01 645,5679.01 680,5679.01 715,5679.01 750,5679.01 780,5679.01 810,5679.01 2155,5679.01 2190,5679.01 2225,5679.01 2260,5679.01 2290,5679.01 2320,5679.01 3665,5679.01 3700,5679.01 3735,5679.01 3770,5679.01 3800,5679.01 3830,5679.01 5175,5679.01 5210,5679.01 5245,5679.01 5280,5679.01 5310,5679.01 5340,5679.01 645,5709.01 680,5709.01 715,5709.01 2155,5709.01 2190,5709.01 2225,5709.01 3665,5709.01 3700,5709.01 3735,5709.01 5175,5709.01 5210,5709.01 5245,5709.01 635,5914.01 670,5914.01 2145,5914.01 2180,5914.01 3655,5914.01 3690,5914.01 5165,5914.01 5200,5914.01 635,5939.01 670,5939.01 2145,5939.01 2180,5939.01 3655,5939.01 3690,5939.01 5165,5939.01 5200,5939.01
  other v3: 330,1064 1840,1064 3350,1064 4860,1064 300,1099 330,1099 1810,1099 1840,1099 3320,1099 3350,1099 4830,1099 4860,1099 1180,5949.01 1210,5949.01 2690,5949.01 2720,5949.01 4200,5949.01 4230,5949.01 5710,5949.01 5740,5949.01 1180,5984.01 2690,5984.01 4200,5984.01 5710,5984.01
  other v4: 360,1064 1870,1064 3380,1064 4890,1064 360,1099 1870,1099 3380,1099 4890,1099 1150,5949.01 2660,5949.01 4170,5949.01 5680,5949.01 1150,5984.01 2660,5984.01 4170,5984.01 5680,5984.01
IRQ: R1.2 TP2.1 U2.1 | length 2073.7
  Top Layer w10: TP2.1@515,5289.01 525,5299.01 R1.2@525,5349.01 v2(565,5349.01) ; U2.1@668.62,5349.01 670,5350.39 v2(670,5384.01) ; v2(840,1664) 840,1697.62 U2.1@841.38,1699 ; v2(945,1699) R1.2@985,1699 985,1749 TP2.1@995,1759 ; TP2.1@2025,5289.01 2035,5299.01 R1.2@2035,5349.01 v2(2075,5349.01) ; U2.1@2178.62,5349.01 2180,5350.39 v2(2180,5384.01) ; v2(2350,1664) 2350,1697.62 U2.1@2351.38,1699 ; v2(2455,1699) R1.2@2495,1699 2495,1749 TP2.1@2505,1759 ; TP2.1@3535,5289.01 3545,5299.01 R1.2@3545,5349.01 v2(3585,5349.01) ; U2.1@3688.62,5349.01 3690,5350.39 v2(3690,5384.01) ; v2(3860,1664) 3860,1697.62 U2.1@3861.38,1699 ; v2(3965,1699) R1.2@4005,1699 4005,1749 TP2.1@4015,1759 ; TP2.1@5045,5289.01 5055,5299.01 R1.2@5055,5349.01 v2(5095,5349.01) ; U2.1@5198.62,5349.01 5200,5350.39 v2(5200,5384.01) ; v2(5370,1664) 5370,1697.62 U2.1@5371.38,1699 ; v2(5475,1699) R1.2@5515,1699 5515,1749 TP2.1@5525,1759
  Bottom Layer w10: v2(565,5349.01) 600,5384.01 v2(670,5384.01) ; v2(840,1664) 910,1664 v2(945,1699) ; v2(2075,5349.01) 2110,5384.01 v2(2180,5384.01) ; v2(2350,1664) 2420,1664 v2(2455,1699) ; v2(3585,5349.01) 3620,5384.01 v2(3690,5384.01) ; v2(3860,1664) 3930,1664 v2(3965,1699) ; v2(5095,5349.01) 5130,5384.01 v2(5200,5384.01) ; v2(5370,1664) 5440,1664 v2(5475,1699)
MCU_FM17550RST: R50.1 U2.14 U7.6 | length 5752
  Top Layer w10: R50.1@564.95,4785.37 595.27,4815.69 v1(654.95,4815.69) U7.6@708.1,4815.69 ; U2.14@615,1852.54 658.54,1852.54 690,1884 v2(690,2034) ; U7.6@801.9,2232.32 v1(855.05,2232.32) 914.73,2232.32 R50.1@945.05,2262.64 ; v2(820,5014.01) 820,5164.01 851.46,5195.46 U2.14@895,5195.46 ; R50.1@2074.95,4785.37 2105.27,4815.69 v1(2164.95,4815.69) U7.6@2218.1,4815.69 ; U2.14@2125,1852.54 2168.54,1852.54 2200,1884 v2(2200,2034) ; U7.6@2311.9,2232.32 v1(2365.05,2232.32) 2424.73,2232.32 R50.1@2455.05,2262.64 ; v2(2330,5014.01) 2330,5164.01 2361.46,5195.46 U2.14@2405,5195.46 ; R50.1@3584.95,4785.37 3615.27,4815.69 v1(3674.95,4815.69) U7.6@3728.1,4815.69 ; U2.14@3635,1852.54 3678.54,1852.54 3710,1884 v2(3710,2034) ; U7.6@3821.9,2232.32 v1(3875.05,2232.32) 3934.73,2232.32 R50.1@3965.05,2262.64 ; v2(3840,5014.01) 3840,5164.01 3871.46,5195.46 U2.14@3915,5195.46 ; R50.1@5094.95,4785.37 5125.27,4815.69 v1(5184.95,4815.69) U7.6@5238.1,4815.69 ; U2.14@5145,1852.54 5188.54,1852.54 5220,1884 v2(5220,2034) ; U7.6@5331.9,2232.32 v1(5385.05,2232.32) 5444.73,2232.32 R50.1@5475.05,2262.64 ; v2(5350,5014.01) 5350,5164.01 5381.46,5195.46 U2.14@5425,5195.46
  Bottom Layer w10: v1(654.95,4815.69) 654.95,4948.96 720,5014.01 v2(820,5014.01) ; v2(690,2034) 790,2034 855.05,2099.05 v1(855.05,2232.32) ; v1(2164.95,4815.69) 2164.95,4948.96 2230,5014.01 v2(2330,5014.01) ; v2(2200,2034) 2300,2034 2365.05,2099.05 v1(2365.05,2232.32) ; v1(3674.95,4815.69) 3674.95,4948.96 3740,5014.01 v2(3840,5014.01) ; v2(3710,2034) 3810,2034 3875.05,2099.05 v1(3875.05,2232.32) ; v1(5184.95,4815.69) 5184.95,4948.96 5250,5014.01 v2(5350,5014.01) ; v2(5220,2034) 5320,2034 5385.05,2099.05 v1(5385.05,2232.32)
MCU_MISO: U2.17 U7.31 | length 3327.6
  Top Layer w10: U2.17@615,1775.77 666.77,1775.77 752.68,1861.68 U7.31@752.68,2104.37 ; U7.31@757.32,4943.64 757.32,5186.32 843.23,5272.24 U2.17@895,5272.24 ; U2.17@2125,1775.77 2176.77,1775.77 2262.68,1861.68 U7.31@2262.68,2104.37 ; U7.31@2267.32,4943.64 2267.32,5186.32 2353.23,5272.24 U2.17@2405,5272.24 ; U2.17@3635,1775.77 3686.77,1775.77 3772.68,1861.68 U7.31@3772.68,2104.37 ; U7.31@3777.32,4943.64 3777.32,5186.32 3863.23,5272.24 U2.17@3915,5272.24 ; U2.17@5145,1775.77 5196.77,1775.77 5282.68,1861.68 U7.31@5282.68,2104.37 ; U7.31@5287.32,4943.64 5287.32,5186.32 5373.23,5272.24 U2.17@5425,5272.24
MCU_MOSI: U2.16 U7.30 | length 3048
  Top Layer w10: U2.16@615,1801.36 662.82,1801.36 733,1871.54 U7.30@733,2104.37 U7.30@733.78,2103.59 ; U7.30@776.22,4944.42 U7.30@777,4943.64 777,5176.46 847.18,5246.65 U2.16@895,5246.65 ; U2.16@2125,1801.36 2172.82,1801.36 2243,1871.54 U7.30@2243,2104.37 U7.30@2243.78,2103.59 ; U7.30@2286.22,4944.42 U7.30@2287,4943.64 2287,5176.46 2357.18,5246.65 U2.16@2405,5246.65 ; U2.16@3635,1801.36 3682.82,1801.36 3753,1871.54 U7.30@3753,2104.37 U7.30@3753.78,2103.59 ; U7.30@3796.22,4944.42 U7.30@3797,4943.64 3797,5176.46 3867.18,5246.65 U2.16@3915,5246.65 ; U2.16@5145,1801.36 5192.82,1801.36 5263,1871.54 U7.30@5263,2104.37 U7.30@5263.78,2103.59 ; U7.30@5306.22,4944.42 U7.30@5307,4943.64 5307,5176.46 5377.18,5246.65 U2.16@5425,5246.65
MCU_NRST: C1.2 J1.4 R4.1 U2.4 | length 6112.5
  Top Layer w10: C1.2@520,1389 R4.1@580,1389 570,1399 J1.4@570,1499 570,1564 610,1604 840,1604 895,1659 895,1759 878.23,1775.77 U2.4@841.38,1775.77 ; U2.4@668.62,5272.24 631.77,5272.24 615,5289.01 615,5389.01 670,5444.01 900,5444.01 940,5484.01 J1.4@940,5549.01 940,5649.01 R4.1@930,5659.01 C1.2@990,5659.01 ; C1.2@2030,1389 R4.1@2090,1389 2080,1399 J1.4@2080,1499 2080,1564 2120,1604 2350,1604 2405,1659 2405,1759 2388.23,1775.77 U2.4@2351.38,1775.77 ; U2.4@2178.62,5272.24 2141.77,5272.24 2125,5289.01 2125,5389.01 2180,5444.01 2410,5444.01 2450,5484.01 J1.4@2450,5549.01 2450,5649.01 R4.1@2440,5659.01 C1.2@2500,5659.01 ; C1.2@3540,1389 R4.1@3600,1389 3590,1399 J1.4@3590,1499 3590,1564 3630,1604 3860,1604 3915,1659 3915,1759 3898.23,1775.77 U2.4@3861.38,1775.77 ; U2.4@3688.62,5272.24 3651.77,5272.24 3635,5289.01 3635,5389.01 3690,5444.01 3920,5444.01 3960,5484.01 J1.4@3960,5549.01 3960,5649.01 R4.1@3950,5659.01 C1.2@4010,5659.01 ; C1.2@5050,1389 R4.1@5110,1389 5100,1399 J1.4@5100,1499 5100,1564 5140,1604 5370,1604 5425,1659 5425,1759 5408.23,1775.77 U2.4@5371.38,1775.77 ; U2.4@5198.62,5272.24 5161.77,5272.24 5145,5289.01 5145,5389.01 5200,5444.01 5430,5444.01 5470,5484.01 J1.4@5470,5549.01 5470,5649.01 R4.1@5460,5659.01 C1.2@5520,5659.01
MCU_ReadOnly: R5.2 U2.20 | length 1219.4
  Top Layer w10: R5.2@475,1729 490,1729 520,1699 U2.20@615,1699 ; U2.20@895,5349.01 990,5349.01 1020,5319.01 R5.2@1035,5319.01 ; R5.2@1985,1729 2000,1729 2030,1699 U2.20@2125,1699 ; U2.20@2405,5349.01 2500,5349.01 2530,5319.01 R5.2@2545,5319.01 ; R5.2@3495,1729 3510,1729 3540,1699 U2.20@3635,1699 ; U2.20@3915,5349.01 4010,5349.01 4040,5319.01 R5.2@4055,5319.01 ; R5.2@5005,1729 5020,1729 5050,1699 U2.20@5145,1699 ; U2.20@5425,5349.01 5520,5349.01 5550,5319.01 R5.2@5565,5319.01
MCU_RX1: R2.2 U2.3 | length 3656.6
  Top Layer w10: R2.2@475,1609 515,1649 690,1649 v2(736.18,1695.18) ; U2.3@668.62,5297.83 v2(773.82,5297.83) ; v2(736.18,1750.18) U2.3@841.38,1750.18 ; v2(773.82,5352.83) 820,5399.01 995,5399.01 R2.2@1035,5439.01 ; R2.2@1985,1609 2025,1649 2200,1649 v2(2246.18,1695.18) ; U2.3@2178.62,5297.83 v2(2283.82,5297.83) ; v2(2246.18,1750.18) U2.3@2351.38,1750.18 ; v2(2283.82,5352.83) 2330,5399.01 2505,5399.01 R2.2@2545,5439.01 ; R2.2@3495,1609 3535,1649 3710,1649 v2(3756.18,1695.18) ; U2.3@3688.62,5297.83 v2(3793.82,5297.83) ; v2(3756.18,1750.18) U2.3@3861.38,1750.18 ; v2(3793.82,5352.83) 3840,5399.01 4015,5399.01 R2.2@4055,5439.01 ; R2.2@5005,1609 5045,1649 5220,1649 v2(5266.18,1695.18) ; U2.3@5198.62,5297.83 v2(5303.82,5297.83) ; v2(5266.18,1750.18) U2.3@5371.38,1750.18 ; v2(5303.82,5352.83) 5350,5399.01 5525,5399.01 R2.2@5565,5439.01
  Bottom Layer w10: v2(736.18,1695.18) v2(736.18,1750.18) ; v2(773.82,5297.83) v2(773.82,5352.83) ; v2(2246.18,1695.18) v2(2246.18,1750.18) ; v2(2283.82,5297.83) v2(2283.82,5352.83) ; v2(3756.18,1695.18) v2(3756.18,1750.18) ; v2(3793.82,5297.83) v2(3793.82,5352.83) ; v2(5266.18,1695.18) v2(5266.18,1750.18) ; v2(5303.82,5297.83) v2(5303.82,5352.83)
MCU_SCK: U2.15 U7.29 | length 2771.1
  Top Layer w10: U2.15@615,1826.95 662.95,1826.95 713.31,1877.31 U7.29@713.31,2104.37 U7.29@713.2,2104.26 ; U7.29@796.8,4943.75 U7.29@796.69,4943.64 796.69,5170.69 847.05,5221.06 U2.15@895,5221.06 ; U2.15@2125,1826.95 2172.95,1826.95 2223.31,1877.31 U7.29@2223.31,2104.37 U7.29@2223.2,2104.26 ; U7.29@2306.8,4943.75 U7.29@2306.69,4943.64 2306.69,5170.69 2357.05,5221.06 U2.15@2405,5221.06 ; U2.15@3635,1826.95 3682.95,1826.95 3733.31,1877.31 U7.29@3733.31,2104.37 U7.29@3733.2,2104.26 ; U7.29@3816.8,4943.75 U7.29@3816.69,4943.64 3816.69,5170.69 3867.05,5221.06 U2.15@3915,5221.06 ; U2.15@5145,1826.95 5192.95,1826.95 5243.31,1877.31 U7.29@5243.31,2104.37 U7.29@5243.2,2104.26 ; U7.29@5326.8,4943.75 U7.29@5326.69,4943.64 5326.69,5170.69 5377.05,5221.06 U2.15@5425,5221.06